# Altium PCB X98_CARRIER_V1R2_12082022.PcbDoc (part 5 of 10)
Units mm, origin at the board's own origin, x right, y up, seen from the top; angles counter-clockwise.
Board outline 100 x 72 mm, 4 copper layers (Top Layer, Layer 1, Layer 2, Bottom Layer), stack 1.543 mm thick; 772 components, 527 nets, 2344 pads, 1194 vias.
Unrouted connection lines stored in the file: 58.
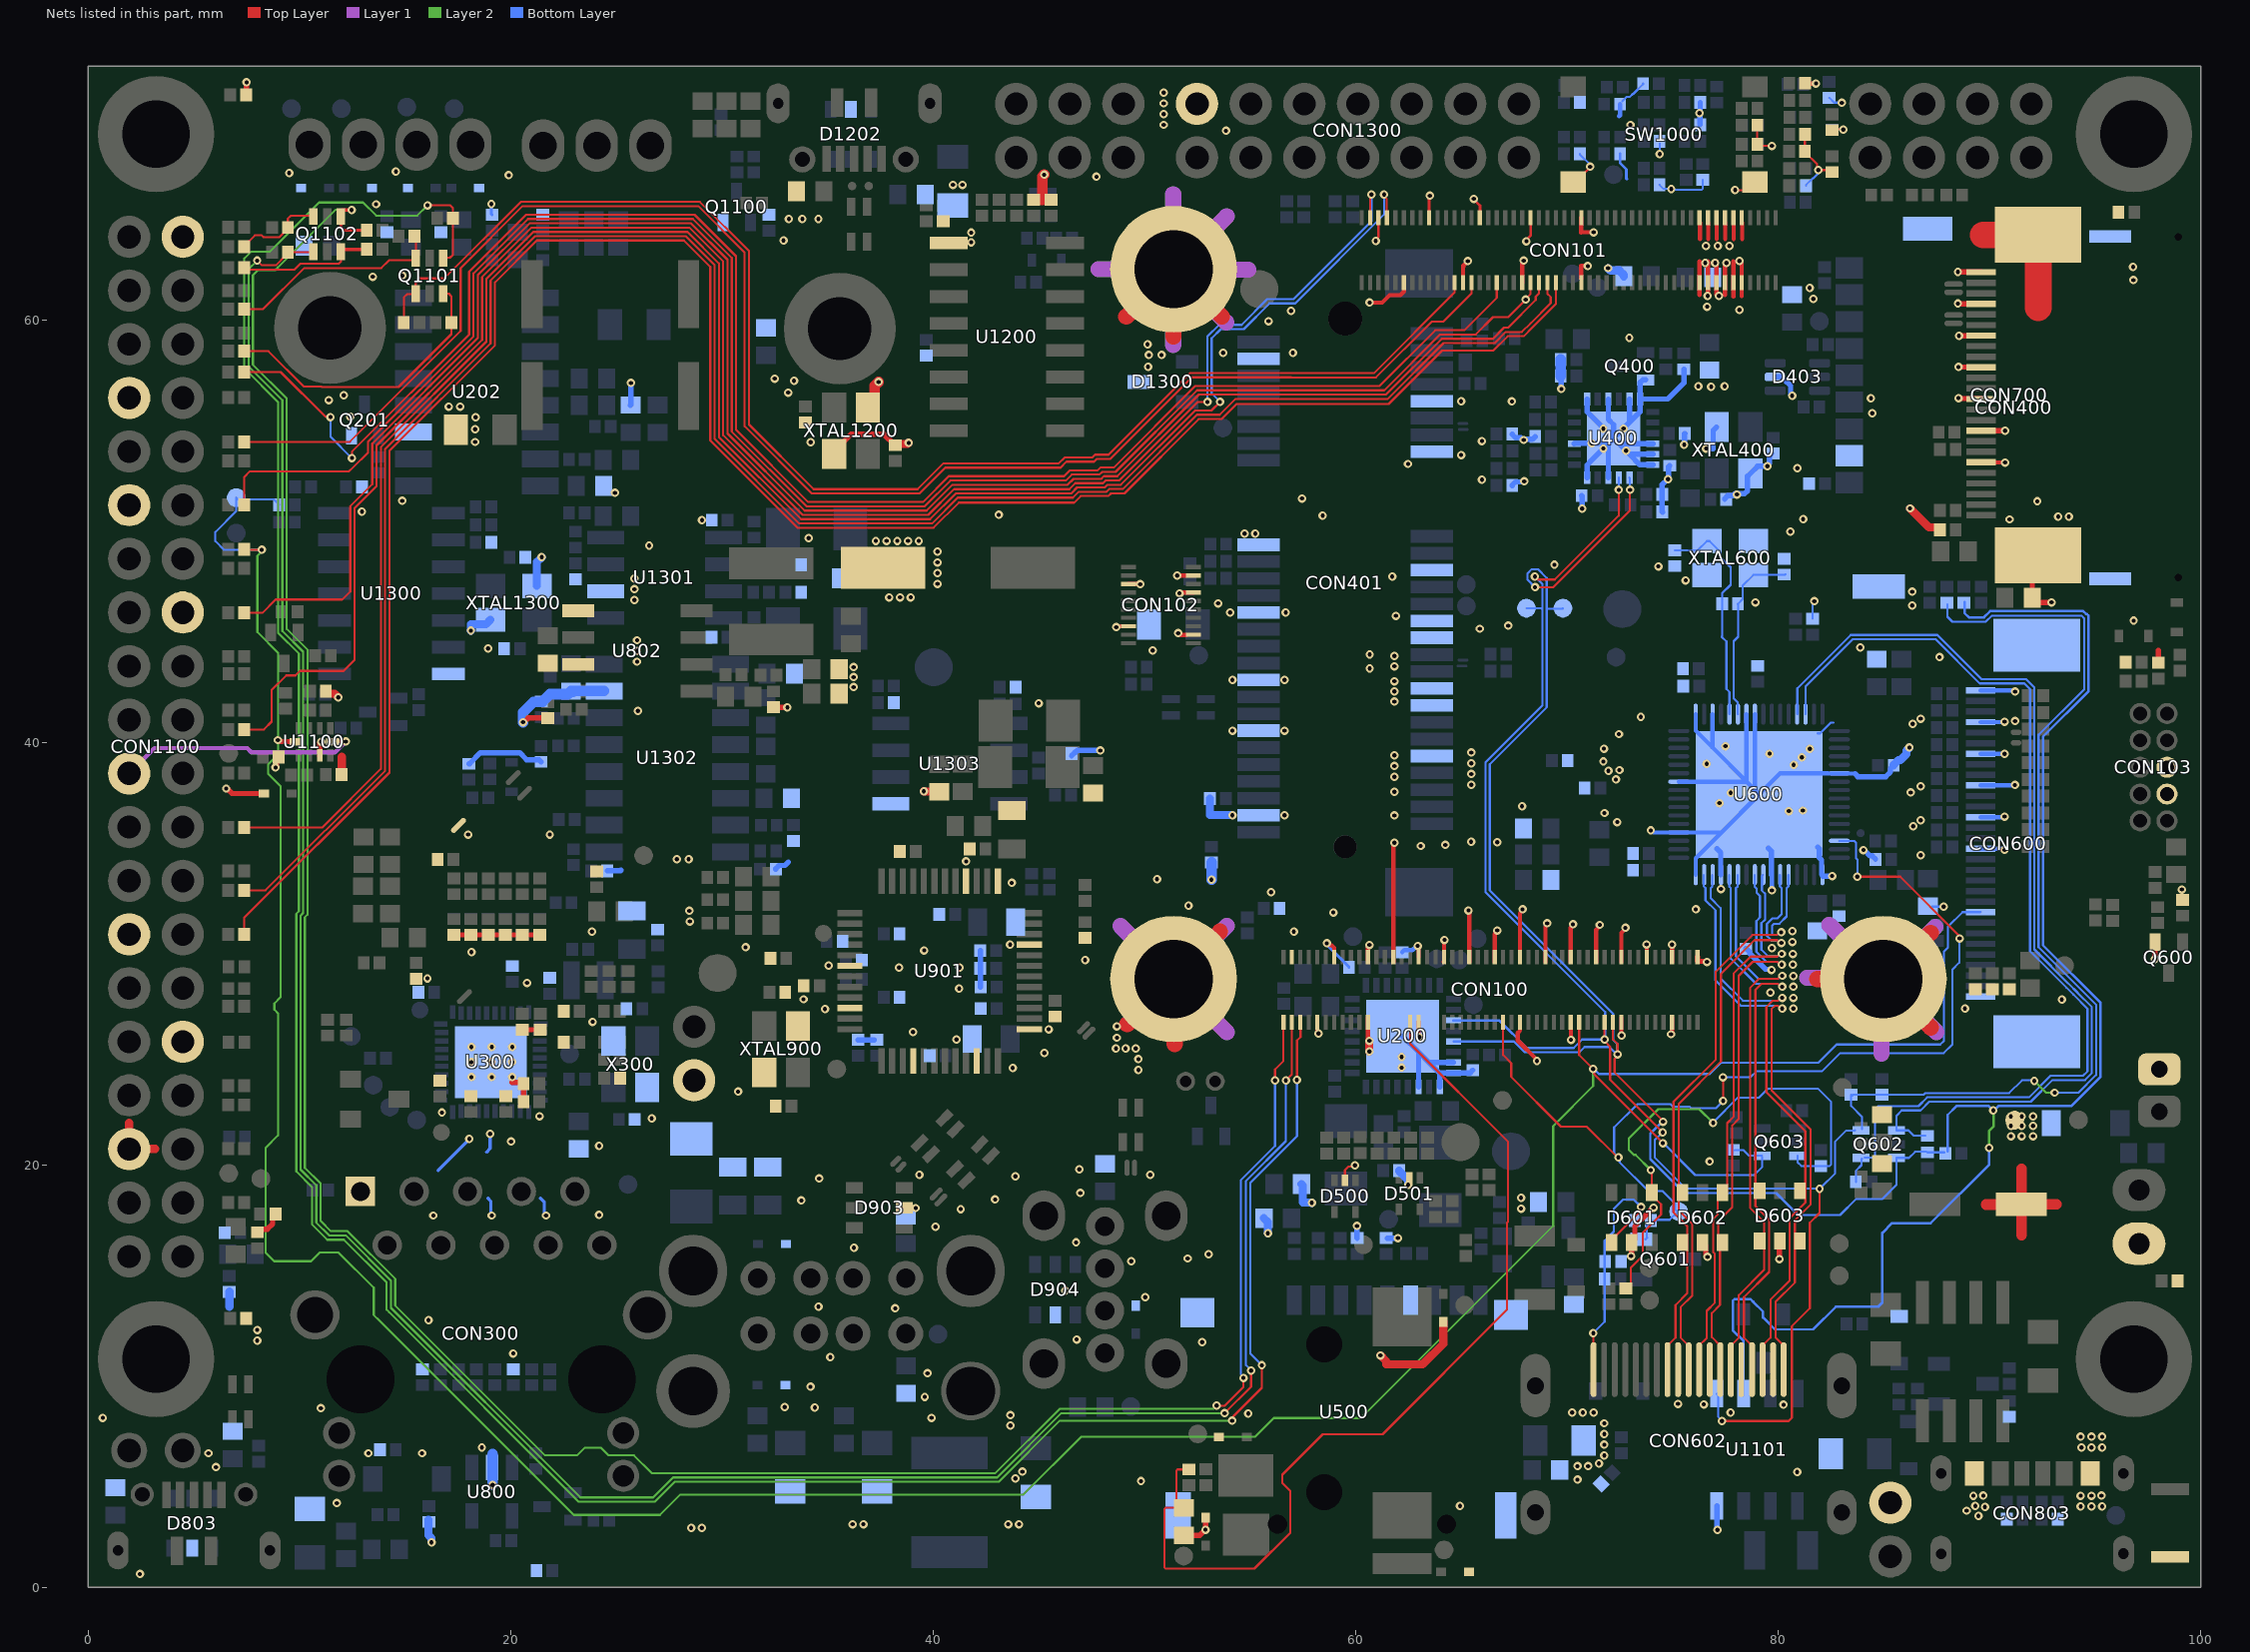
[diagram p7: the nets of this part, all layers, seen from the top]

## Via types
v1: diameter 0.4, hole 0.2, Top Layer to Bottom Layer, tented both sides, 1194 vias

## Nets (pads, with @x,y where several pads share a name; then routed paths per layer and width w, separated by ;. In a path a pad name is that pad's centre, name@x,y a point inside that pad or via, vN(x,y) a via of type N, cw(c..) or ccw(c..) an arc to the next point about the centre after c; other vN are vias at no path point) (continued)
GND: C100.1 C102.2 C104.2 C105.2 C200.2 C203.1 C206.2 C209.2 C215.2 C217.2 C223.2 C224.2 C225.2 C226.2 C227.2 C300.2 C301.1 C302.1 C303.1 C304.2 C305.2 C306.2 C307.2 C308.1 C309.2 C310.2 C311.1 C312.2 C313.1 C314.2 C315.2 C316.2 C317.2 C400.2 C401.2 C404.2 C405.2 C406.2 C407.2 C408.2 C409.2 C410.2 C411.2 C412.1 C413.2 C414.1 C417.1 C419.2 C500.2 C501.2 C502.2 C506.2 C600.2 C601.2 C602.2 C603.2 C604.2 C612.2 C613.2 C621.2 C622.2 C623.2 C624.2 C625.2 C626.2 C627.2 C628.2 C629.2 C631.2 C633.2 C636.2 C637.2 C640.2 C700.2 C702.2 C800.2 C801.2 C802.2 C803.2 C804.2 C805.2 C806.2 C900.2 C901.2 C902.2 C903.2 C904.2 C905.1 C906.1 C907.2 C908.1 C909.1 C910.2 C911.1 C912.1 C913.2 C914.1 C915.1 C916.1 C923.2 C924.2 C925.2 C1100.2 C1101.2 C1102.2 C1103.2 C1105.2 C1106.1 C1200.2 C1201.2 C1202.2 C1203.2 C1204.2 C1205.2 C1300.2 C1301.2 C1302.1 C1303.2 C1304.2 C1305.2 C1306.1 C1307.1 C1309.2 C1310.2 C1312.2 C1313.2 C1314.2 C1315.2 C1316.2 C1317.2 C1318.2 CON100.1 CON100.7 CON100.8 CON100.13 CON100.19 CON100.20 CON100.25 CON100.31 CON100.32 CON100.37 CON100.43 CON100.44 CON100.49 CON100.55 CON100.61 CON100.67 CON100.68 CON100.73 CON100.79 CON100.80 CON100.87 CON100.92 CON100.97 CON101.9 CON101.10 CON101.11 CON101.12 CON101.13 CON101.14 CON101.15 CON101.16 CON101.17 CON101.18 CON101.19 CON101.20 CON101.47 CON101.48 CON101.59 CON101.62 CON101.71 CON101.76 CON101.83 CON101.90 CON101.95 CON102.3 CON102.6 CON102.7 CON102.16 CON102.17 CON103.4 CON103.6 CON104.0 CON106.0 CON107.0 CON300.1 CON400.0 CON400.5 CON401.4 CON401.9 CON401.15 CON401.18 CON401.21 CON401.26 CON401.27 CON401.29 CON401.34 CON401.35 CON401.37 CON401.40 CON401.43 CON401.50 CON600.0 CON600.1 CON600.4 CON600.7 CON600.10 CON600.13 CON600.16 CON600.30 CON602.2 CON602.5 CON602.8 CON602.11 CON700.0 CON700.1 CON700.4 CON700.7 CON700.10 CON700.13 CON700.16 CON700.19 CON801.2 CON802.1 CON803.A12 CON803.B12 CON805.2 CON1001.2 CON1100.5 CON1100.10 CON1100.13 CON1100.19 CON1100.26 CON1100.29 CON1100.33 CON1100.40 CON1300.13 D100.2 D200.1 D201.1 D202.1 D203.1 D204.2 D205.2 D206.1 D207.1 D403.2 D500.2 D501.2 D601.2 D602.2 D603.2 D800.A D802.2 D803.2 D804.A D900.1 D901.1 D902.1 D903.2 D904.2 D1101.1 D1202.2 D1300.3 L104.2 L105.2 L106.2 L107.2 L211.1 L212.1 L301.2 L400.2 L405.2 L802.1 L808.1 L900.2 L902.2 L905.2 L911.1 L1201.1 L1203.2 Q201.2 Q400.2 Q600.2 Q1100.2 R117.2 R124.2 R125.2 R303.1 R310.1 R312.2 R313.2 R314.2 R315.1 R319.1 R330.2 R332.2 R334.2 R336.2 R341.2 R343.2 R425.1 R426.1 R427.1 R514.1 R609.1 R612.2 R619.1 R624.1 R627.1 R802.1 R810.2 R811.2 R812.2 R817.1 R819.1 R821.1 R900.1 R902.1 R905.1 R906.2 R907.1 R908.1 R909.1 R1003.1 R1004.1 R1005.1 R1009.1 R1010.1 R1011.1 R1018.1 R1020.1 R1021.1 R1022.1 R1025.1 R1027.1 R1028.1 R1029.1 R1037.1 R1038.1 R1039.1 R1040.1 R1043.1 R1044.1 R1105.2 R1122.2 R1209.1 R1310.1 R1314.1 R1317.2 R1318.1 R1320.1 R1322.2 R1329.2 SW1000.1 SW1000.2 SW1001.1 TP108.1 TP301.1 U200.0 U200.1 U200.3 U200.31 U200.32 U202.11 U300.41 U400.4 U400.5 U400.6 U400.10 U400.12 U400.15 U400.19 U400.21 U400.23 U400.24 U400.25 U500.0@51.6,3.4 U500.0@52.5,13 U500.0@67.1,3.4 U500.0@67.35,12.9 U500.6 U600.6 U600.17 U600.23 U600.29 U600.32 U600.36 U600.42 U600.49 U600.51 U600.55 U600.56 U600.65 U800.2 U802.1 U802.3 U901.6 U901.10 U901.16 U901.22 U901.25 U901.33 U901.37 U901.40 U1100.3 U1100.5 U1101.4 U1200.1 U1300.7 U1301.2 U1302.15 U1303.5 X300.2 X300.4 XTAL400.2 XTAL400.4 XTAL600.2 XTAL600.4 XTAL900.2 XTAL900.4 XTAL1200.2 XTAL1200.4 XTAL1300.2 XTAL1300.4 | length 373.2
  Top Layer w0.102: D500.2@59.492,19.266 59.492,19.75 59.666,19.924 v1@59.964,19.924 ; v1@69.062,31.374 v1@69.104,31.416 ; SW1000.2@70.294,66.523 70.394,66.523 71.098,67.227 v1@71.101,67.227 ; v1(77.961,66.143) 78.514,66.143 SW1000.1@78.894,66.523 ; R1037.1@79.019,69.219 79.007,69.207 79.007,68.329 R1043.1@79.019,68.317 79.099,68.237 v1(79.704,68.237) ; R1040.1@81.281,68.787 81.267,68.773 R1039.1@81.267,67.971 81.267,67.946 81.593,67.619 81.609,67.619 81.845,67.383 81.845,67.153 v1(81.902,67.096) 82.449,67.096 R1028.1@82.546,66.999 ; R1027.1@82.546,68.985 82.573,69.012 v1(83.085,69.012) ; v1@99.117,33.14 99.117,32.676 R619.1@99.147,32.646
  Top Layer w0.127: v1(60.95,63.738) 60.95,63.812 61.079,63.941 CON101.95@61.079,64.837 ; CON101.83@63.479,64.617 63.479,65.853 v1(63.506,65.881) ; v1@65.589,65.703 65.883,65.409 65.883,64.84 CON101.71@65.879,64.837 ; v1(68.078,63.719) 68.078,63.788 68.283,63.993 CON101.59@68.283,64.837
  Top Layer w0.203: U1100.5@11.564,40.029 11.568,40.033 12.18,40.033 v1(12.187,40.039) ; v1(48.661,45.454) 48.715,45.454 48.756,45.496 CON102.16@49.239,45.496 ; CON102.6@49.239,47.496 49.795,47.496 v1(49.804,47.486) ; v1(51.547,47.899) 52.003,47.899 52.006,47.896 CON102.3@52.319,47.896 ; v1(51.595,45.17) 51.648,45.17 51.727,45.09 52,45.09 52.006,45.096 CON102.17@52.319,45.096 ; v1(51.659,47.055) 51.712,47.055 51.753,47.096 CON102.7@52.319,47.096 ; CON100.92@58.181,26.508 58.181,26.334 58.244,26.272 v1(58.244,26.218) ; v1(58.631,30.488) 58.684,30.488 58.78,30.392 58.862,30.392 58.981,30.273 58.981,29.618 CON100.87@58.979,29.617 ; CON100.80@60.579,26.977 CON100.80@60.579,26.757 60.579,25.995 60.645,25.929 v1(60.645,25.876) ; CON100.79@60.579,29.617 60.581,29.618 60.581,30.289 60.65,30.358 v1(60.65,30.411) ; v1(60.659,60.819) 61.257,60.819 61.609,61.171 62.114,61.171 62.293,61.349 CON101.90@62.293,61.942 ; CON100.73@61.779,29.617 61.779,35.058 61.792,35.072 61.792,35.211 v1(61.83,35.248) ; v1(62.936,30.367) 62.936,30.314 62.978,30.273 62.978,29.838 CON100.67@62.979,29.837 ; CON100.68@62.979,26.757 62.981,26.755 62.981,26.08 v1(63.012,26.049) ; CON100.61@64.179,29.617 64.181,29.618 64.181,30.621 v1(64.206,30.646) ; CON101.76@65.079,61.977 65.081,61.978 65.081,62.507 65.09,62.516 65.09,62.562 v1(65.31,62.782) ; v1(65.338,32.045) 65.338,31.992 65.379,31.951 CON100.55@65.379,29.617 ; CON100.49@66.579,29.617 66.579,30.921 66.701,31.043 v1(66.701,31.097) ; CON100.44@67.779,26.977 67.778,26.975 67.778,26.355 67.667,26.244 67.667,25.887 68.581,24.973 v1(68.581,24.922) ; CON100.43@67.779,29.617 67.779,31.924 67.901,32.046 v1(67.901,32.099) ; CON101.62@67.879,61.757 67.879,62.682 67.951,62.754 v1(67.951,62.807) ; CON100.37@68.979,29.617 68.979,31.295 69.069,31.385 v1(69.069,31.438) ; CON100.31@70.179,29.617 70.179,31.225 70.288,31.334 v1(70.288,31.388) ; CON100.32@70.189,26.805 70.189,25.926 v1(70.194,25.921) ; CON101.48@70.679,61.977 70.679,62.565 70.972,62.565 v1(70.988,62.549) ; CON101.47@70.679,64.837 70.679,64.131 70.697,64.149 v1(71.267,64.149) ; CON100.25@71.379,29.617 71.379,31.13 71.558,31.309 v1(71.558,31.362) ; CON100.20@72.579,26.977 72.581,26.975 72.581,26.132 v1(72.588,26.125) ; CON100.19@72.579,29.617 72.579,30.981 72.771,31.172 v1(72.771,31.226) ; v1(73.772,30.438) 73.778,30.433 73.778,29.618 CON100.13@73.779,29.617 ; v1(74.932,26.185) 74.932,26.238 74.978,26.284 74.978,26.975 CON100.8@74.979,26.977 ; CON100.7@74.978,29.617 v1@74.978,30.43 ; 76.279,61.19 76.279,62.764 ; 76.294,63.826 CON101.19@76.294,64.609 ; v1@76.679,61.19 v1@76.679,62.764 ; 76.694,63.826 CON101.17@76.694,64.609 ; v1@77.079,61.19 v1@77.079,62.764 ; 77.094,63.826 CON101.15@77.094,64.609 ; 77.482,61.178 v1@77.482,62.752 ; 77.494,63.826 CON101.13@77.494,64.609 ; 77.871,62.762 77.878,62.755 CON101.12@77.878,61.978 ; 77.879,61.101 CON101.12@77.879,61.977 ; 77.894,63.826 CON101.11@77.894,64.609 ; 78.278,61.124 CON101.10@78.278,61.975 ; CON101.10@78.278,61.978 v1@78.278,62.76 ; 78.294,63.826 CON101.9@78.294,64.609 ; R1038.1@81.283,71.206 81.299,71.19 v1@81.768,71.19 ; CON700.19@89.609,53.257 89.609,53.249 v1(90.749,53.249)
  Top Layer w0.254: v1(6.526,37.815) 6.565,37.815 6.801,37.579 D1101.1@8.308,37.579 ; L104.2@7.465,70.644 7.479,70.658 7.479,71.233 v1(7.493,71.247) ; C1101.2@8.003,16.808 8.151,16.956 8.47,16.956 8.723,17.209 8.723,17.529 C1100.2@8.871,17.676 ; v1(8.865,38.813) 8.893,38.841 8.893,39.178 R1122.2@9.014,39.299 ; U1100.3@10.956,39.391 10.958,39.393 10.958,39.93 11.02,39.992 v1(11.02,40.031) ; U1100.5@11.564,40.029 U1100.5@11.566,40.026 ; R332.2@17.399,30.912 17.424,30.887 R334.2@18.115,30.887 R336.2@20.553,30.887 R330.2@21.366,30.887 ; 20.066,23.901 20.555,23.901 C302.1@20.605,23.851 C303.1@20.605,22.987 20.605,22.968 C303.1@20.599,22.962 ; C309.2@20.549,26.397 C307.2@21.392,26.397 21.494,26.397 C307.2@21.514,26.416 ; v1(20.582,40.953) 20.621,40.953 20.823,41.155 R817.1@21.742,41.155 ; C805.2@32.436,41.662 v1@33.091,41.661 ; XTAL1200.2@35.306,53.654 35.306,53.779 36.11,54.583 37.67,54.583 C1203.2@38.183,54.07 ; C203.1@51.869,2.466 52.621,2.466 v1(52.888,2.732) D203.1@52.888,3.301 ; v1(62.486,19.06) 62.486,19.099 62.517,19.131 62.517,19.37 D501.2@62.54,19.393 ; v1@67.878,32.076 v1(67.901,32.099) ; v1(73.042,15.684) 73.055,15.697 73.055,16.31 D601.2@73.068,16.323 73.216,16.471 73.216,17.094 v1(74.098,17.976) ; CON100.1@76.179,29.837 76.179,29.664 76.206,29.637 76.599,29.637 v1(76.627,29.609) ; D602.2@76.421,16.323 76.569,16.175 76.569,15.767 76.652,15.684 v1(76.652,15.644) ; v1(80.054,15.544) 80.066,15.556 80.066,16.39 D603.2@80.077,16.402 ; v1(88.509,60.771) 88.516,60.764 89.602,60.764 CON700.4@89.609,60.757 ; v1(88.509,62.269) 88.515,62.263 89.603,62.263 CON700.1@89.609,62.257 ; v1(88.534,56.3) 88.556,56.278 89.587,56.278 CON700.13@89.609,56.257 ; v1(88.534,57.773) 88.543,57.765 89.601,57.765 CON700.10@89.609,57.757 ; v1(88.56,59.247) 88.565,59.252 89.604,59.252 CON700.7@89.609,59.257 ; CON700.16@89.609,54.757 89.612,54.754 90.741,54.754 v1(90.744,54.751) ; CON700.0@92.309,48.847 92.031,48.569 C702.2@92.031,46.845 92.248,46.628 v1(92.945,46.628) ; v1(97.838,29.735) 97.842,29.74 97.842,30.545 Q600.2@97.847,30.549 ; R124.2@98,43.768 98,44.353
  Top Layer w0.381: C1105.2@11.243,42.419 11.243,42.393 11.332,42.305 11.653,42.305 11.824,42.134 v1(11.829,42.134) ; v1(39.554,37.687) 39.558,37.683 40.256,37.683 R1320.1@40.277,37.662 ; C1200.2@44.758,65.68 45.166,65.68 C1201.2@45.574,65.68 ; v1(60.645,25.368) v1(60.645,25.876) ; v1(61.174,10.982) 61.174,10.977 61.44,10.711 61.44,10.555 63.168,10.555 64.148,11.535 D200.1@64.148,12.57 ; v1(86.246,51.076) 87.145,50.177 87.567,50.177 87.656,50.088 C700.2@87.656,50.063
  Top Layer w0.4: 1.93,21.988 CON1100.5@1.93,20.75 3.168,20.75 ; C1106.1@11.994,38.482 11.994,39.32 ; C1203.2@38.183,54.07 38.239,54.126 38.785,54.126 v1(38.837,54.178)
  Top Layer w0.508: XTAL1200.4@36.906,55.854 37.227,56.175 37.227,56.88 v1(37.409,57.062) ; 45.166,65.68 45.166,66.789 v1(45.252,66.875) ; 89.847,18.129 C802.2@91.524,18.129 ; C802.2@91.505,18.135 93.182,18.135 ; 91.519,16.684 C802.2@91.519,18.134 ; C802.2@91.519,18.14 91.519,19.817
  Top Layer w0.762: 49.136,60.153 CON106.0@51.379,62.396 51.379,59.224 ; 49.187,26.655 53.572,31.04 ; 51.43,25.726 CON107.0@51.43,30.658 ; CON106.0@51.43,62.396 53.673,60.153 ; 81.857,28.797 CON104.0@85.788,28.797 ; 87.222,26.503 84.979,28.746 87.222,30.989
  Top Layer w1.27: 89.713,64.023 CON700.0@92.295,64.023 ; 92.309,60.584 CON700.0@92.309,64.038
  Layer 1 w0.203: CON1100.19@1.93,38.53 3.133,39.733 7.517,39.733 7.723,39.527 11.674,39.527 v1(12.187,40.039)
  Layer 1 w0.762: 47.823,62.396 CON106.0@51.379,62.396 ; 48.865,31.311 CON107.0@51.379,28.797 ; 51.361,58.82 CON106.0@51.361,62.376 ; CON106.0@51.361,62.384 54.917,62.384 ; CON106.0@51.361,62.393 51.361,65.949 ; CON106.0@51.361,62.396 53.875,59.882 ; CON106.0@51.373,62.384 53.887,64.899 ; 53.894,26.282 CON107.0@51.379,28.797 ; 53.894,31.311 CON107.0@51.379,28.797 ; 81.372,28.847 84.928,28.847 82.413,31.362 ; 84.889,25.274 CON104.0@84.889,28.83 ; CON104.0@84.928,28.746 87.442,31.26 ; CON104.0@84.979,28.797 87.493,26.282
  Bottom Layer w0.102: R1005.1@70.612,67.859 70.612,67.834 71.076,67.371 v1@71.076,67.227 ; R1003.1@72.625,70.352 72.833,70.561 72.982,70.561 73.121,70.7 73.142,70.7 73.602,71.159 R1029.1@73.602,71.185 ; U400.25@72.788,53.813 v1(72.797,53.813) ; R1009.1@74.383,66.39 74.573,66.2 v1(74.94,66.2) 74.984,66.155 76.374,66.155 76.434,66.215 R1004.1@76.434,66.626 ; v1(74.394,67.848) 74.394,68.335 R1011.1@74.403,68.345 ; R1044.1@81.317,66.354 81.317,66.379 81.642,66.705 81.66,66.705 81.89,66.934 81.89,67.084 v1(81.902,67.096) ; C640.2@81.627,45.851 81.627,46.522 81.711,46.605 v1(81.711,46.686) ; U600.65@81.859,40.425 81.983,40.425 82.491,40.933 82.621,40.933 ; R1018.1@82.418,70.513 82.647,70.285 83.004,70.285 v1(83.014,70.275) ; R1025.1@82.546,68.985 82.573,69.012 v1(83.085,69.012) ; C621.2@87.281,32.226 v1(87.84,32.226)
  Bottom Layer w0.127: v1@19.082,65.474 19.078,65.471 19.078,65.012 C226.2@19.113,64.977 ; v1(58.631,30.488) 58.631,30.428 59.68,29.379 C215.2@59.68,29.354 ; R1020.1@72.513,67.859 72.513,67.427 72.813,67.127 72.813,66.696 72.838,66.671
  Bottom Layer w0.152: 16.561,19.736 18.034,21.209 v1(18.034,21.234) ; 18.847,20.599 19.025,20.777 v1(19.025,21.463) ; 18.923,18.415 19.05,18.288 v1@19.05,17.628 ; 21.412,18.415 21.59,18.237 v1@21.59,17.628
  Bottom Layer w0.203: C206.2@62.196,30.066 62.301,30.171 62.687,30.171 62.883,30.367 v1(62.936,30.367) ; 72.473,69.64 72.513,69.68 R1003.1@72.513,70.215 ; v1(73.971,35.833) 74.024,35.833 74.118,35.739 U600.36@75.297,35.739 77.297,35.739 U600.65@79.097,37.539 ; U600.42@75.297,38.139 78.497,38.139 U600.65@79.097,37.539 ; U600.32@76.097,33.739 76.099,33.741 76.099,34.515 79.097,37.513 U600.65@79.097,37.539 ; U600.49@76.097,41.339 76.097,40.553 U600.65@76.897,39.753 ; U600.51@76.897,41.339 U600.65@76.897,39.753 ; U600.55@78.497,41.339 U600.65@78.497,38.153 ; U600.56@78.897,41.339 U600.65@78.897,37.753 ; v1(79.704,32.998) U600.23@79.704,33.716 ; 82.367,38.52 83.637,38.52 ; 82.367,38.539 80.097,38.539 U600.65@79.097,37.539 ; CON600.16@89.581,34.963 90.724,34.963 v1(90.724,34.913) ; CON600.13@89.581,36.463 90.724,36.463 v1(90.724,36.488) ; CON600.10@89.581,37.963 91.206,37.963 v1(91.206,37.987) ; CON600.7@89.581,39.463 90.724,39.463 v1(90.724,39.46) ; CON600.4@89.581,40.963 90.724,40.963 v1(90.724,40.982) ; CON600.1@89.581,42.466 91.097,42.466 91.16,42.403 v1(91.213,42.403) ; U600.65@76.897,39.753 U600.65@78.497,38.153 ; U600.65@78.497,38.153 U600.65@78.897,37.753 ; U600.65@78.897,37.753 79.097,37.553 U600.65@79.097,37.539
  Bottom Layer w0.254: R1310.1@18.024,38.989 18.05,38.989 18.569,39.508 20.417,39.508 20.747,39.178 21.331,39.178 C1314.2@21.432,39.077 ; R1314.1@24.562,33.918 25.187,33.918 25.217,33.948 ; C217.2@25.666,55.966 25.686,55.986 v1(25.686,57.016) ; C1313.2@32.549,33.995 32.549,34.021 32.701,34.173 32.979,34.173 33.147,34.341 ; C914.1@36.445,25.917 37.202,25.917 C915.1@37.211,25.908 ; C909.1@42.226,30.145 42.239,30.132 42.239,28.424 C911.1@42.24,28.423 ; R1322.2@46.551,39.349 46.551,39.375 46.703,39.527 46.729,39.527 46.817,39.615 v1(47.904,39.615) ; R514.1@60.071,16.534 60.067,16.539 60.067,17.131 v1@60.091,17.155 ; C506.2@61.488,16.52 61.503,16.535 v1@62.001,16.535 ; U200.0@62.228,26.094 U200.0@62.978,25.344 ; U200.3@62.978,23.694 U200.0@62.978,25.344 ; U200.0@63.478,24.844 U200.31@64.628,24.844 ; U200.1@63.978,23.694 63.978,24.344 ; C209.2@65.541,24.48 65.405,24.344 63.978,24.344 ; R425.1@67.412,52.161 67.412,52.179 67.564,52.331 67.954,52.331 v1(67.982,52.359) ; R426.1@67.412,54.599 67.412,54.574 67.564,54.422 67.811,54.422 67.917,54.315 v1(67.957,54.315) 67.985,54.343 68.366,54.343 C407.2@68.501,54.478 ; C410.2@69.704,57.346 69.72,57.331 69.72,56.743 v1(69.735,56.728) ; U400.15@70.35,54.141 70.373,54.164 U400.25@71.984,54.164 ; C411.2@70.701,51.678 70.713,51.666 70.713,51.076 v1(70.725,51.064) ; U400.12@70.961,52.531 70.961,53.128 71.062,53.229 71.062,53.243 U400.25@72.21,54.391 ; U400.19@70.961,56.252 70.961,55.64 U400.25@72.21,54.391 ; U400.10@71.961,52.531 U400.25@71.961,54.142 ; U400.21@71.961,56.252 71.961,55.286 72.21,55.037 U400.25@72.21,54.575 ; U400.25@72.788,53.813 U400.25@72.46,54.141 ; U400.23@72.961,56.252 U400.25@72.961,55.141 ; Q400.2@73.723,57.16 73.594,57.16 73.461,57.027 U400.24@73.461,56.252 ; U400.6@74.07,53.141 73.46,53.141 72.96,53.641 U400.5@74.07,53.641 ; U400.4@74.07,54.141 U400.25@72.46,54.141 ; C404.2@74.535,50.907 74.51,50.932 74.51,52.207 74.764,52.461 v1(74.789,52.461) 74.817,52.489 74.817,53.047 C406.2@74.866,53.096 ; R427.1@75.539,57.664 75.539,57.02 74.771,56.252 U400.24@73.461,56.252 ; v1(75.551,54.087) 75.568,54.103 75.568,54.607 C408.2@75.584,54.623 ; v1(76.281,69.79) 76.297,69.774 76.297,69.256 R1010.1@76.314,69.24 ; v1@76.314,69.79 R1022.1@76.314,70.291 ; v1(76.593,53.909) 76.927,53.909 76.927,54.771 XTAL400.4@77.088,54.933 ; U1101.4@77.094,3.866 77.111,3.849 77.111,2.742 v1(77.128,2.725) ; U600.65@77.095,34.969 77.283,34.782 U600.29@77.283,33.73 ; C417.1@77.467,51.505 77.467,51.531 77.619,51.683 77.851,51.683 77.93,51.761 77.969,51.761 77.984,51.777 78.417,51.777 78.55,51.91 78.55,52.594 XTAL400.2@78.688,52.732 79.026,53.071 v1(79.488,53.071) 79.488,53.11 79.587,53.209 79.587,53.575 C412.1@79.689,53.676 ; C603.2@78.476,30.232 78.502,30.232 78.654,30.079 78.654,30.005 79.403,29.257 79.659,29.257 v1@79.701,29.215 ; U600.65@79.534,34.994 79.683,34.845 U600.23@79.683,33.737 ; D403.2@79.862,57.299 80.162,57.299 80.383,57.078 80.398,57.078 80.591,56.885 80.591,56.481 v1(80.665,56.406) ; U600.65@81.871,35.045 81.955,34.961 81.955,34.532 82.056,34.431 82.056,33.757 82.083,33.73 82.083,33.701 82.11,33.674 v1(82.556,33.674) ; 83.637,38.52 83.778,38.379 85.094,38.379 85.318,38.602 85.318,38.76 C629.2@85.47,38.912 ; v1(84.038,34.906) 84.077,34.906 84.353,34.631 84.455,34.631 R609.1@84.607,34.478 ; U200.0@62.978,25.344 63.478,24.844 63.978,24.344 ; U400.25@72.21,54.391 U400.25@72.21,54.575 ; U400.25@72.21,54.391 U400.25@72.46,54.141 ; U400.25@72.21,54.575 72.394,54.575 v1(72.678,54.858) U400.25@72.961,55.141 ; U400.25@72.961,55.141 73.461,55.641 U400.24@73.461,56.252
  Bottom Layer w0.381: C800.2@16.107,3.2 16.107,2.467 16.243,2.331 16.243,2.137 v1(16.247,2.133) ; v1(18.11,45.291) 18.114,45.295 18.114,45.349 18.118,45.354 18.118,45.582 18.816,45.582 XTAL1300.2@19.039,45.806 ; XTAL1300.4@21.239,47.406 21.239,48.539 21.463,48.763 v1(21.463,48.768) ; C414.1@53.099,37.335 53.099,36.553 v1(54.166,36.553) ; C501.2@55.658,17.475 55.839,17.294 55.839,16.769 v1(55.843,16.765) ; L211.1@57.434,19.09 57.494,19.03 57.494,18.229 57.513,18.21 57.919,18.21 v1(57.922,18.206) ; C200.2@62.054,19.734 62.054,19.708 62.482,19.279 62.482,19.064 v1(62.486,19.06) ; C629.2@85.47,38.912 85.47,38.938 85.688,39.156 85.786,39.156 86.074,39.444 86.074,39.616 v1(86.213,39.755)
  Bottom Layer w0.4: C1103.2@6.671,13.992 6.671,13.297 6.681,13.287 ; v1(71.952,62.448) 72.066,62.335 72.488,62.335 72.694,62.128 C104.2@72.694,62.065